# Altium PCB MJVESC_MINI.PcbDoc (part 1 of 3)
Units mm, origin at the board's own origin, x right, y up, seen from the top; angles counter-clockwise.
Board outline 56 x 73 mm, 4 copper layers (Top Layer, Mid Layer 1, Mid Layer 2, Bottom Layer), stack 1.63 mm thick; 162 components, 145 nets, 746 pads, 509 vias.
Unrouted connection lines stored in the file: 3.
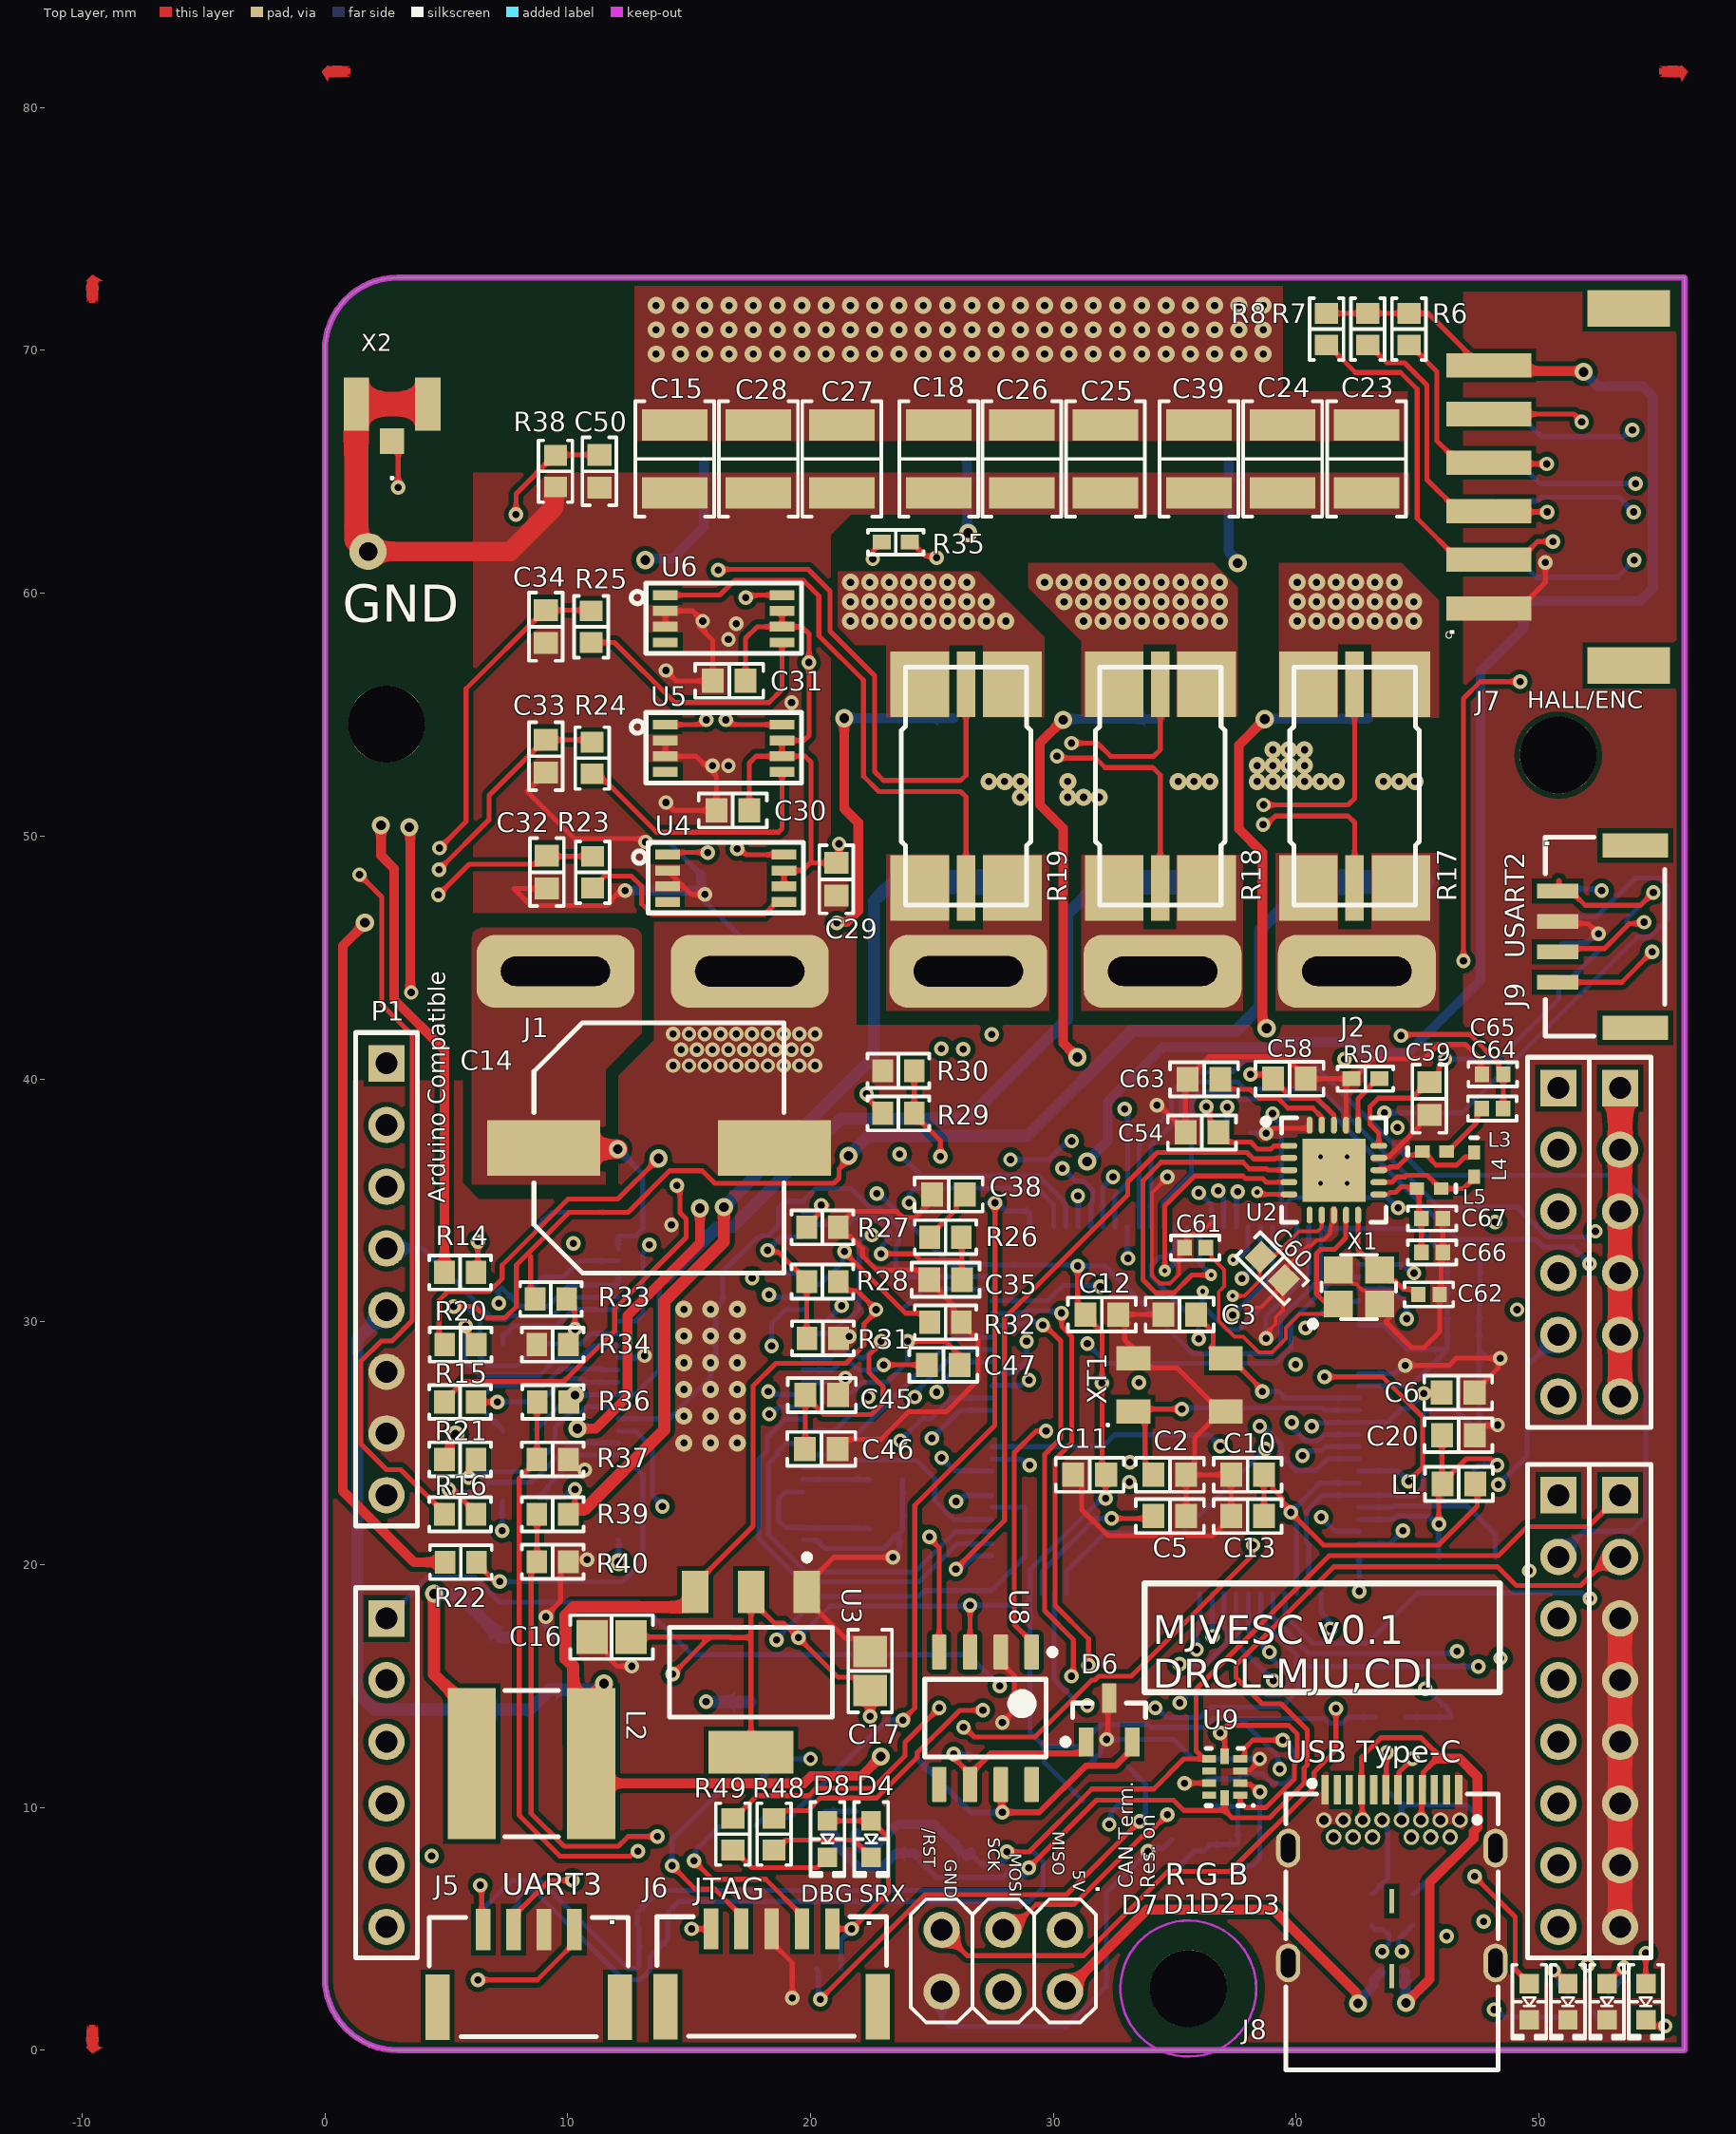
[diagram p0: Top Layer view]
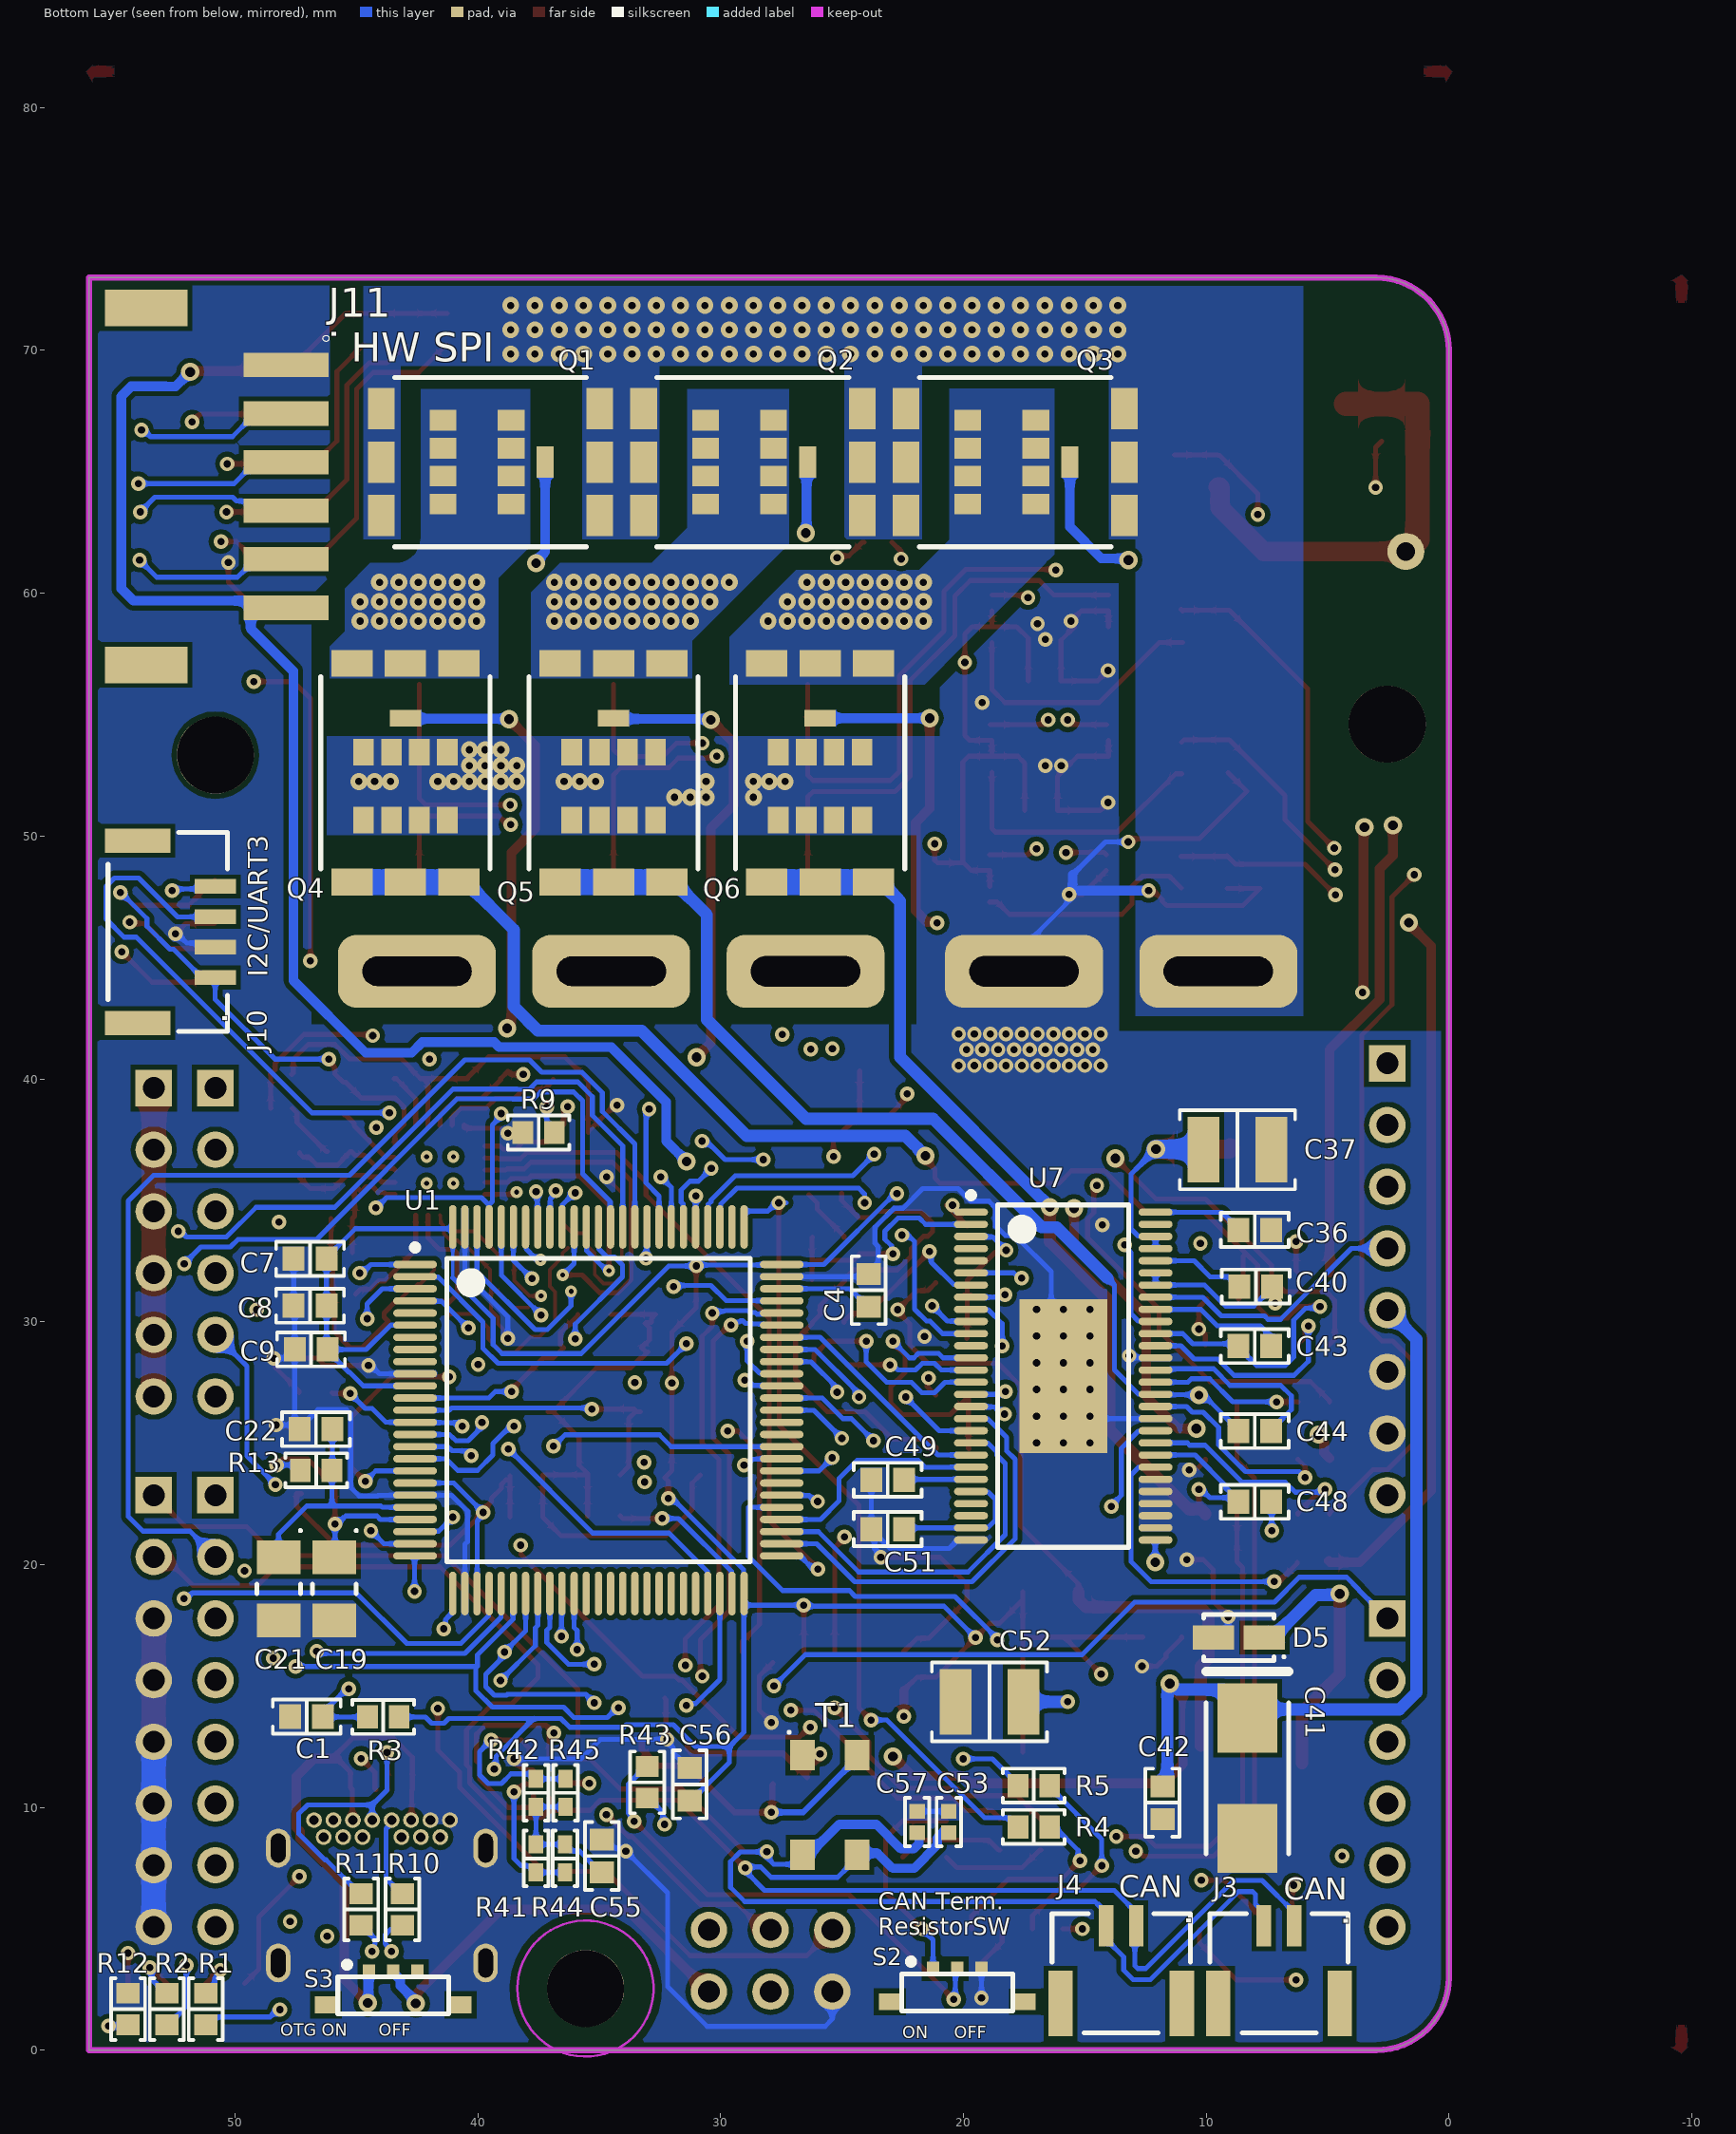
[diagram p1: Bottom Layer view, seen from below]
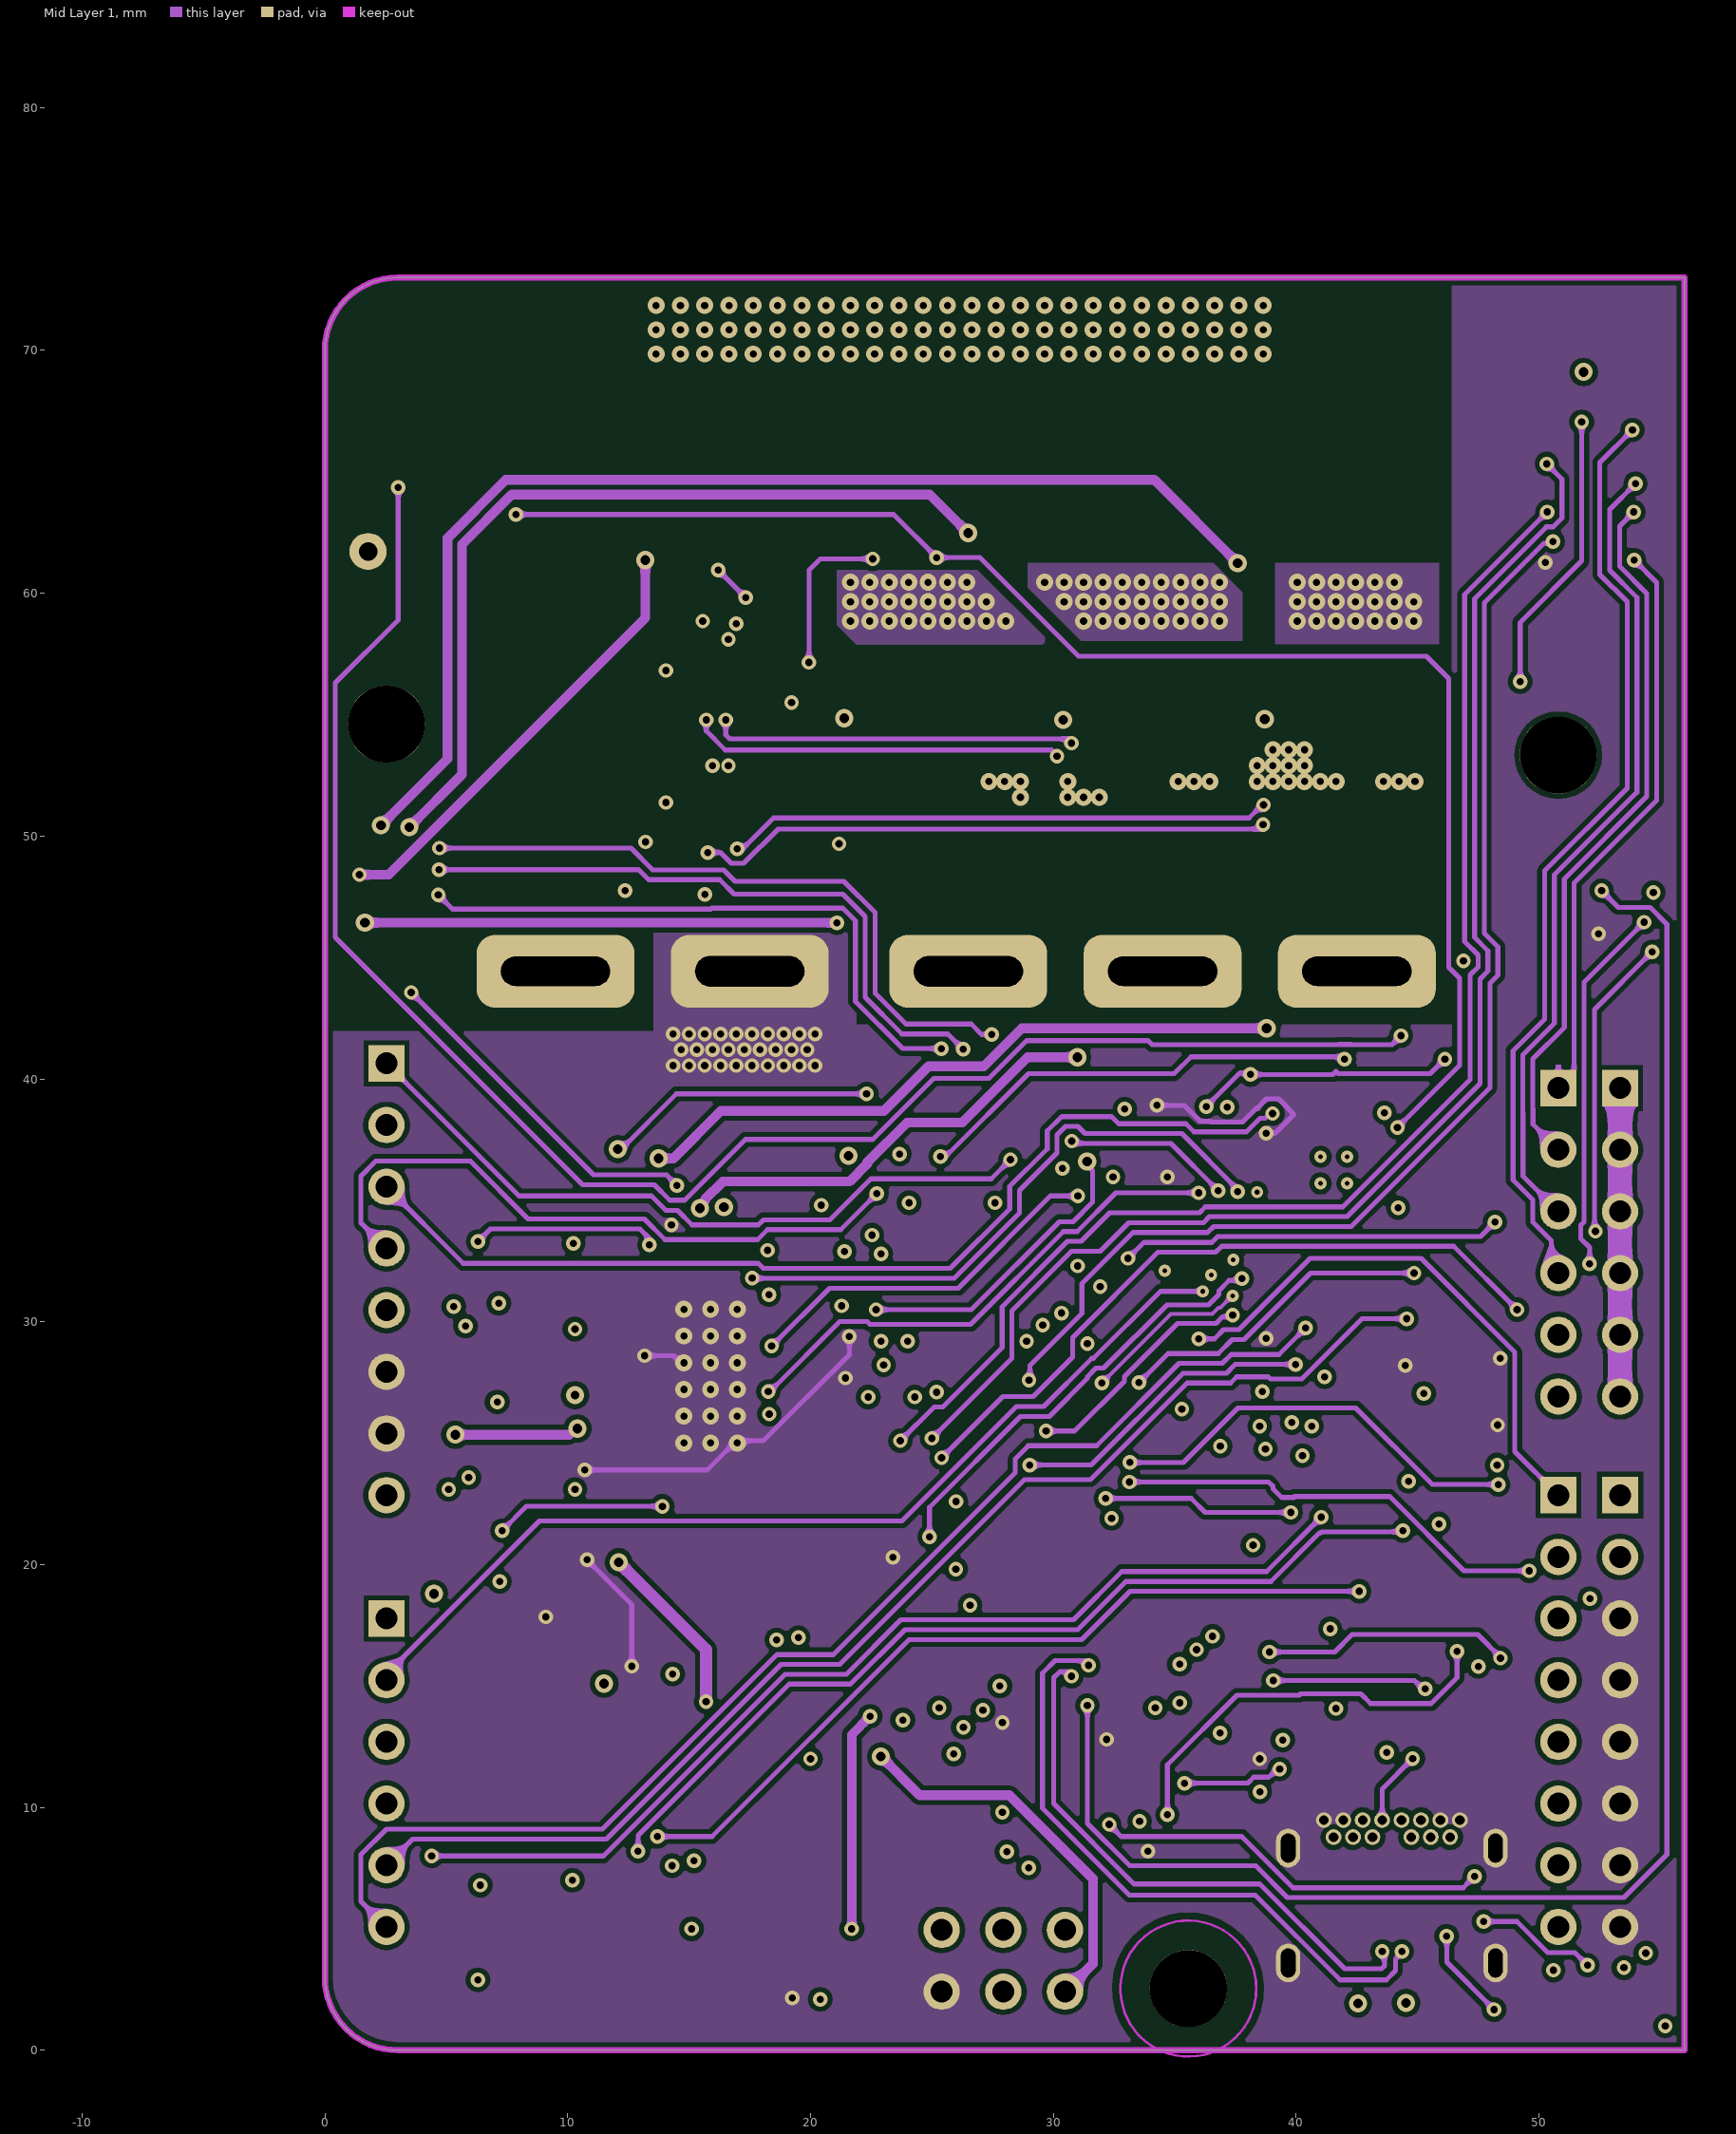
[diagram p2: Mid Layer 1]
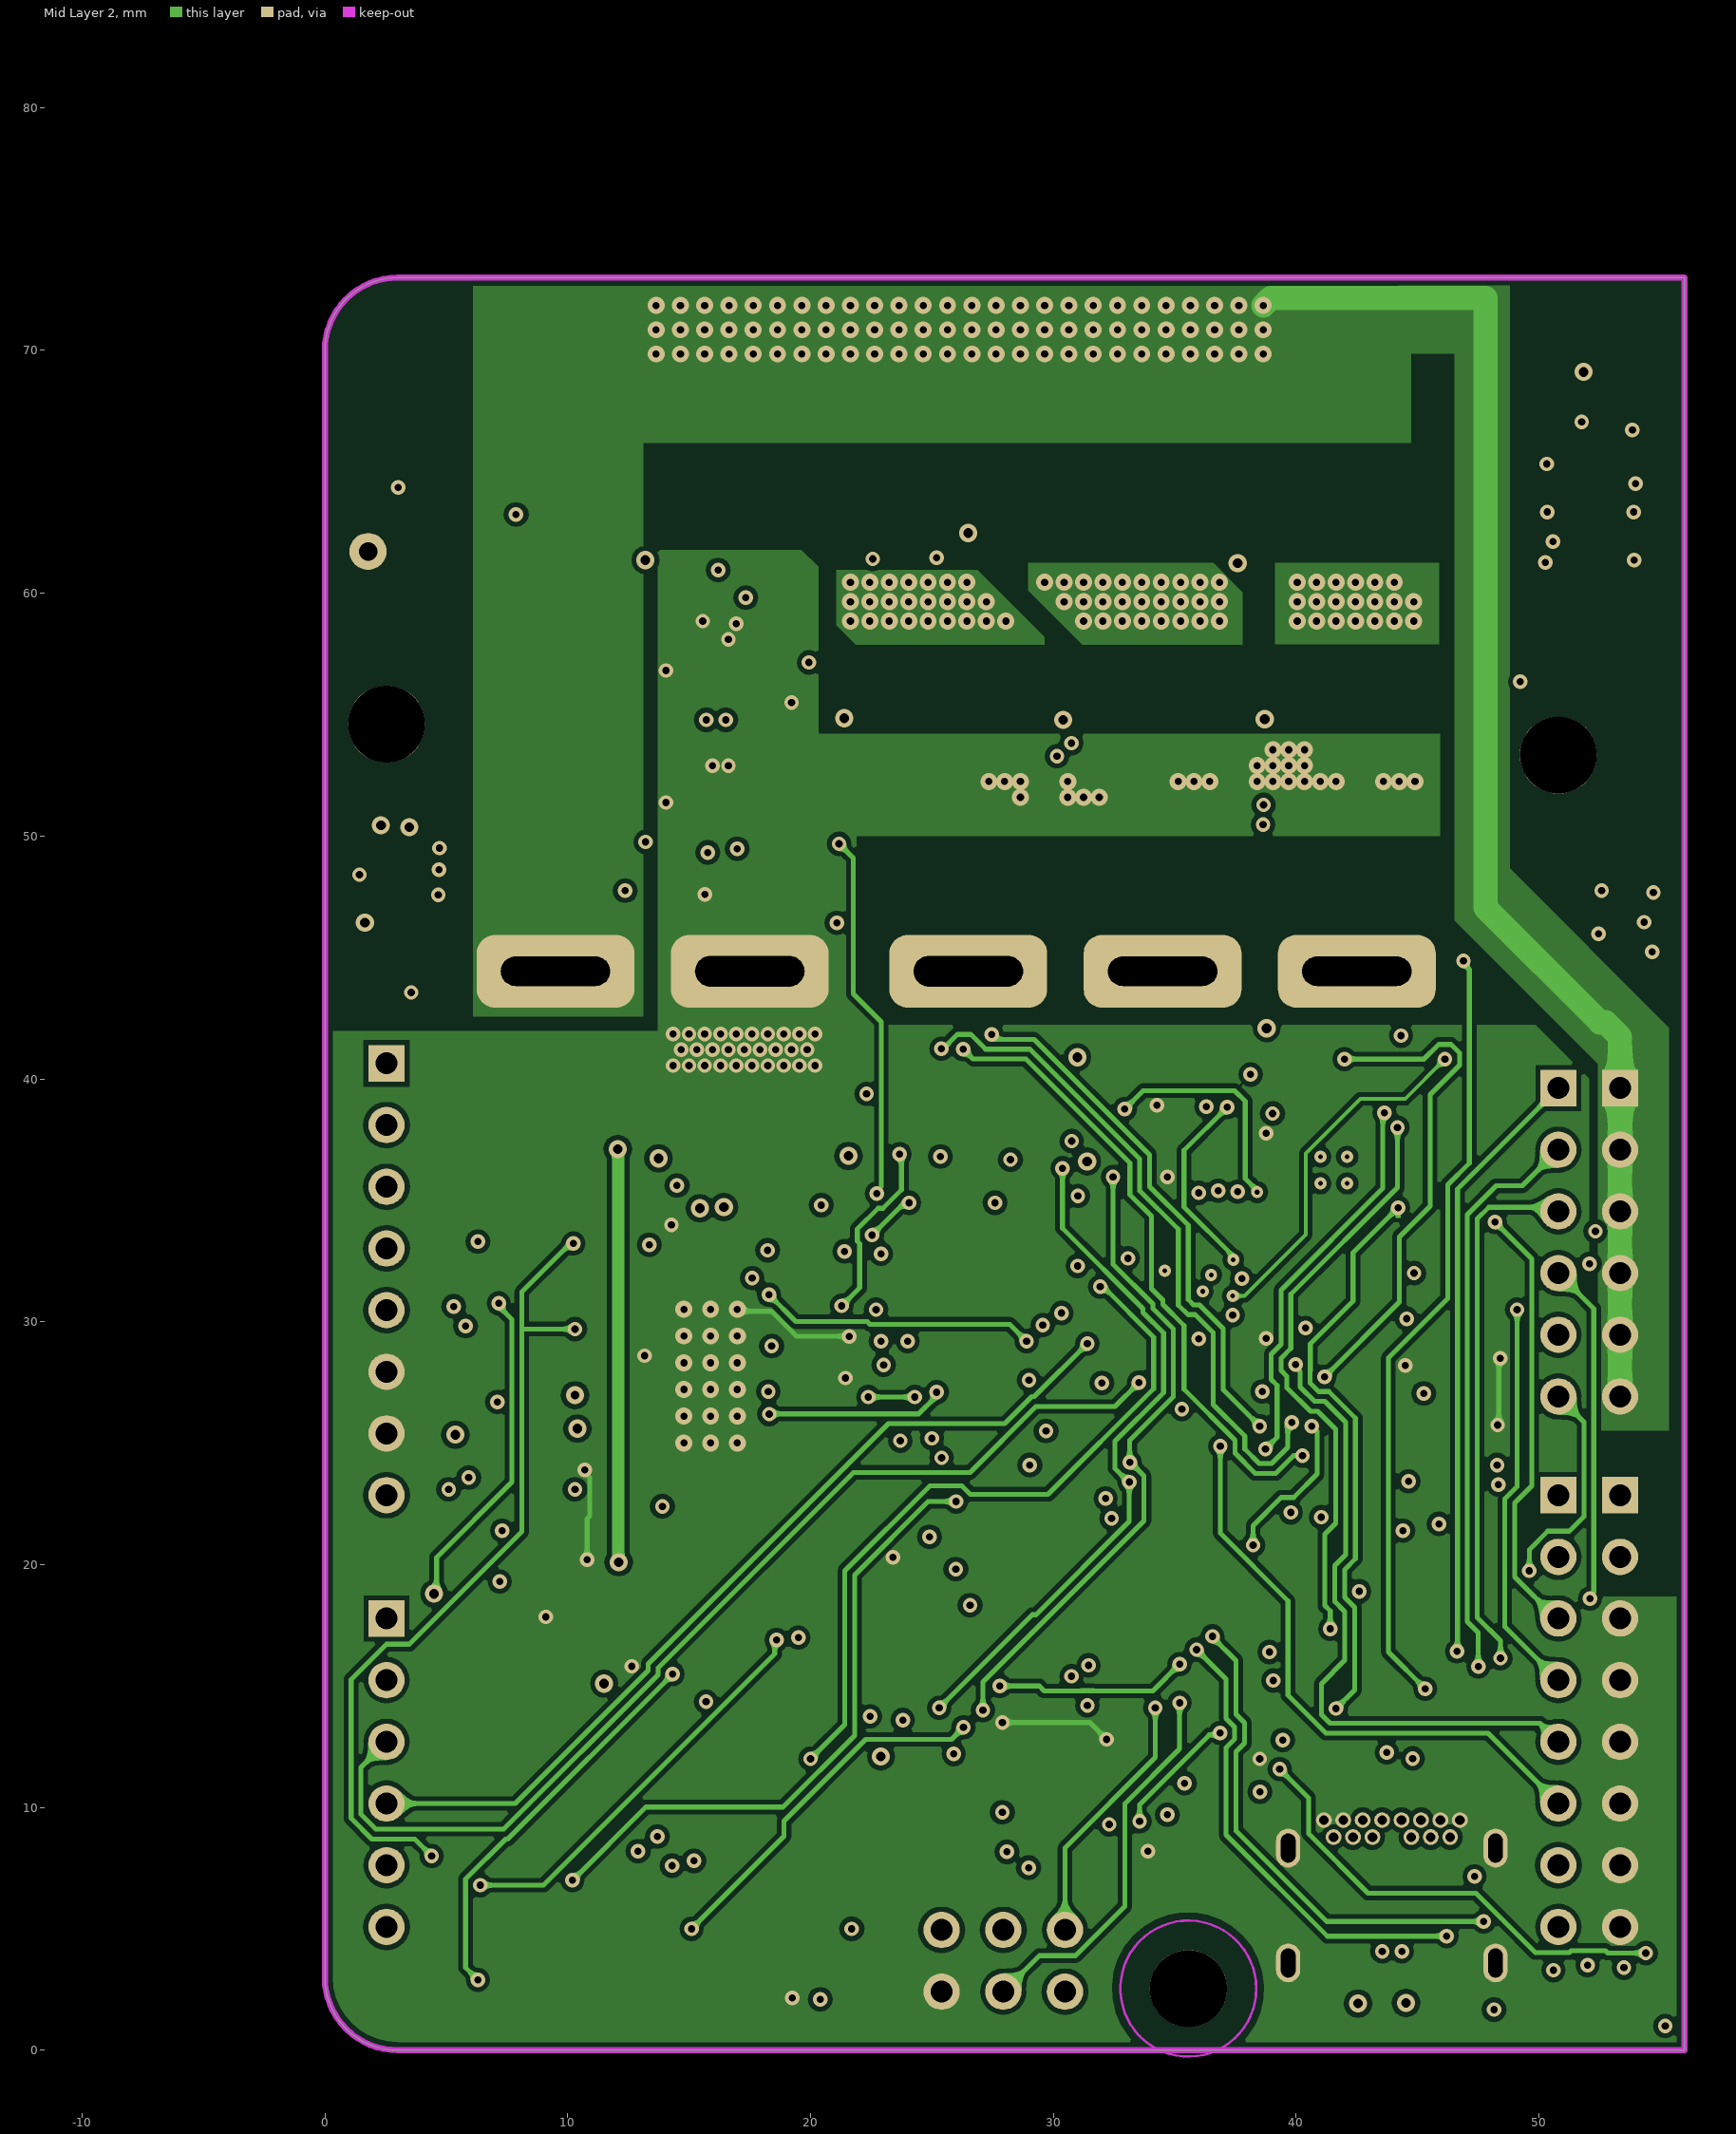
[diagram p3: Mid Layer 2]

## Layer stack, top to bottom
Top Solder: solder mask 0.0102, Solder Resist, Dk 3.5
Top Layer: signal copper 0.07
Dielectric 1: core 0.45, FR-4, Dk 4.2
Mid Layer 1: signal copper 0.07
Dielectric 3: prepreg 0.45, FR-4, Dk 4.2
Mid Layer 2: signal copper 0.07
Dielectric 2: core 0.45, FR-4, Dk 4.2
Bottom Layer: signal copper 0.07
Bottom Solder: solder mask 0.0102, Solder Resist, Dk 3.5

## Board outline
0,3 ccw(c3,3) 3,0 56,0 56,73 3,73 ccw(c3,70) 0,70

## Design rules (kind name [scope] priority, off if disabled: settings)
Clearance [All] p1: gap=0.203 ignorepadtopadclearanceinfootprint=FALSE except(0: Arc-Hole Track-Hole SMDPad-Hole THPad-Hole Via-Hole Fill-Hole Poly-Hole Region-Hole Text-Hole; 0.15: THPad-THPad; 0.175: SMDPad-SMDPad)
DiffPairsRouting [All] p1: maxlimit=5 minlimit=0.203 mostfreqgap=0.254 toplayer_minwidth=0.203 toplayer_maxwidth=0.381 toplayer_prefwidth=0.381 midlayer1_minwidth=0.203 midlayer1_maxwidth=0.381 midlayer1_prefwidth=0.381 midlayer2_minwidth=0.203 midlayer2_maxwidth=0.381 midlayer2_prefwidth=0.381 bottomlayer_minwidth=0.203 bottomlayer_maxwidth=0.381 bottomlayer_prefwidth=0.381 maxuncoupledlength=12.7
HoleSize [All] p1: absolutevalues=TRUE maxlimit=5 minlimit=0.025 maxpercent=80.000 minpercent=20.000
MinimumSolderMaskSliver [All] p1: minsoldermaskwidth=0.005
PolygonConnect [All] p1: connectstyle=Direct reliefconductorwidth=1.5 reliefentries=4 polygonreliefangle="90 Angle" airgapwidth=0.254
RoutingVias [All] p1: holewidth=0.35 width=0.75 viastyle="Through Hole" minholewidth=0.3 minwidth=0.6 maxholewidth=1 maxwidth=1.7 useviatemplates=TRUE viatemplateguid#1={44232CD7-EA5B-422C-8959-80883578642B} viatemplatename#1=v60h30m0mx0
SMDNeckDown [All] p1: percent=100.000
SolderMaskExpansion [All] p1: expansion=0.102
Width "CAN BUS" [InNet('CANH')] p1: maxlimit=0.254 minlimit=0.254 preferedwidth=0.254
Width V_SUPPLY [InNet('V_SUPPLY')] p2: maxlimit=1 minlimit=0.152 preferedwidth=0.8 bottomlayer_prefwidth=0.203 minimp=50.000000 maximp=50.000000 favimp=50.000000
Width [All] p3: maxlimit=1 minlimit=0.152 preferedwidth=0.203 minimp=50.000000 maximp=50.000000 favimp=50.000000 checkconnectedcopper=TRUE
27 further rules are at their usual default settings.

## Classes and differential pairs
component class nRF24L01P: C54 C58 C59 C60 C61 C62 C63 C64 C65 C66 C67 L3 L4 L5 R50 U2 X1 X2
component class CAN: C53 C55 C56 C57 D6 D7 IC1 R41 R42 R43 R44 R45 S2 T1 U8 U9
component class DRV8301: C14 C15 C18 C23 C24 C25 C26 C27 C28 C29 C30 C31 C32 C33 C34 C35 C36 C37 C38 C39 C40 C41 C42 C43 C44 C45 C46 C47 C48 C49 C50 C51 C52 D5 L2 Q1 Q2 Q3 Q4 Q5 Q6 R14 R15 R16 R17 R18 R19 R20 R21 R22 R23 R24 R25 R26 R27 R28 R29 R30 R31 R32 R33 R34 R35 R36 R37 R38 R39 R40 U4 U5 U6 U7
component class mcu: C1 C2 C3 C4 C5 C6 C7 C8 C9 C10 C11 C12 C13 C16 C17 C19 C20 C21 C22 D1 D2 D3 D4 D8 GND J1 J2 J3 J4 J5 J6 J7 J8 J9 J10 J11 L1 P1 R1 R2 R3 R4 R5 R6 R7 R8 R9 R10 R11 R12 R13 R48 R49 S3 U1 U3 XT1
net class POWER: V_SUPPLY
differential pair CS_C: +CS_C_P -CS_C_N
differential pair CS_B: +CS_B_P -CS_B_N
differential pair CS_A: +CS_A_P -CS_A_N
differential pair CAN_TRES: +CAN_TRES_P -CAN_TRES_N
differential pair USB_D: +USB_D_P -USB_D_N
differential pair CAN: +CAN_P -CAN_N
